# Allegro board A733_PRO2_AXP318_LPDDR4_4X_200BALL_32X1_V1_1.brd (continued)
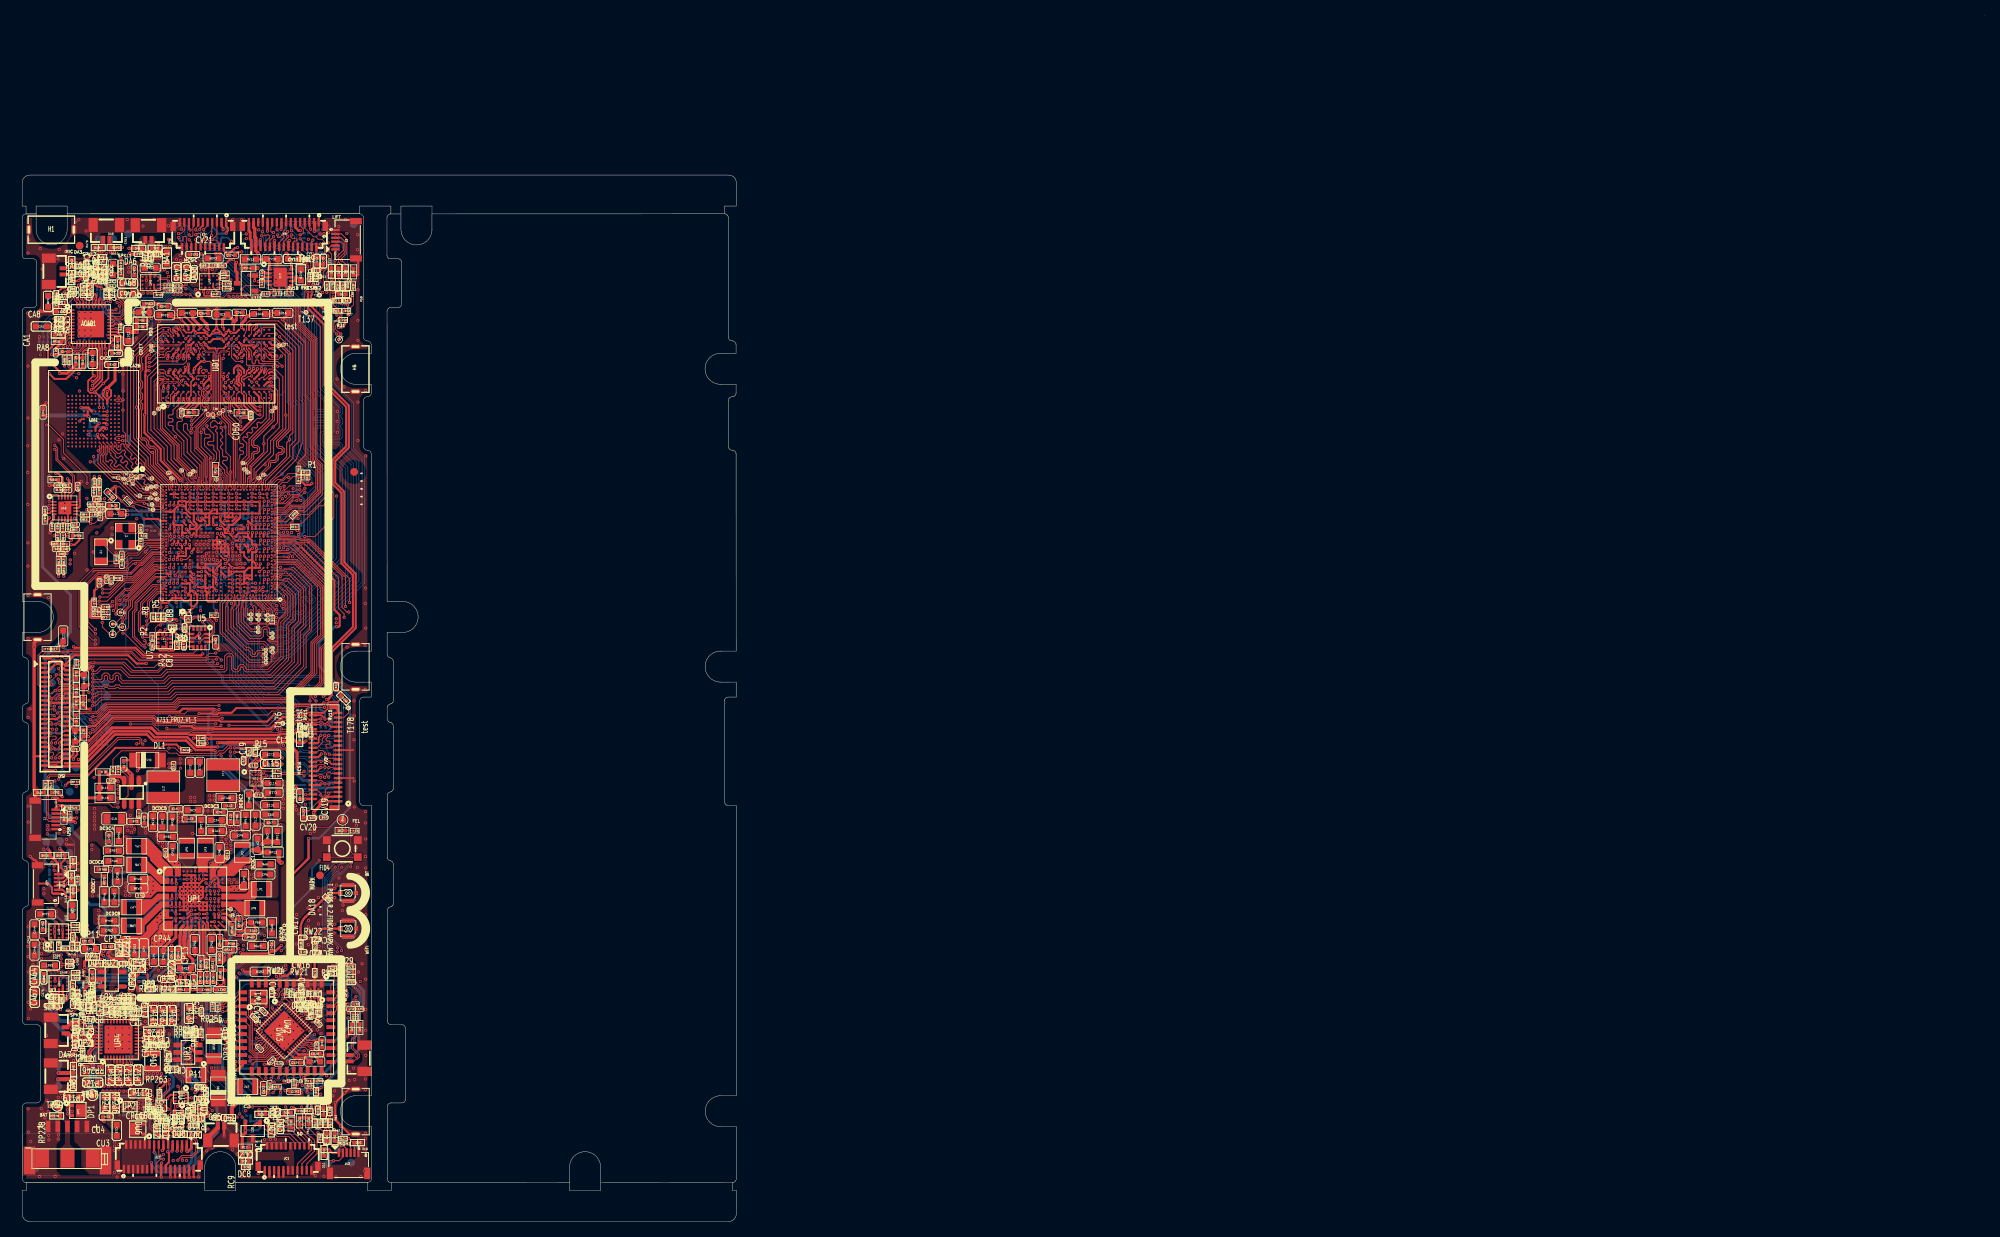
[diagram p0: board, top side]
## Copper pours and planes (outline as drawn; the poured copper is in the pictures) (continued)
BLDO1 on TOP: 38.11,129.49 38.37,129.49 38.4,129.46 38.4,127.86 38.58,127.68 39.07,127.68 39.14,127.62 39.14,127.15 39.09,127.1 38.36,127.1 38.08,127.38 38.08,129.46
BLDO1 on BOTTOM: 38.59,127.68 39.05,127.68 39.11,127.62 39.11,126.82 39.02,126.73 37.78,126.73 37.62,126.88 37.37,126.88 36.77,126.29 36.18,126.29 36.13,126.34 36.13,126.76 36.18,126.81 36.56,126.81 36.66,126.91 36.66,127.63 36.71,127.68 37.15,127.68 37.29,127.55 38.45,127.55
BLDO1 on BOTTOM: 39.89,56.16 40.32,56.16 40.38,56.09 40.38,54.02 39.72,53.37 38.67,53.37 38.52,53.52 38.52,54.17 38.58,54.23 39.01,54.23 39.24,54.46 39.65,54.46 39.86,54.67 39.86,56.13
BLDO1 on L4: 38.96,127.75 39.49,127.21 40.22,127.21 42.51,124.92 42.51,121.14 42.97,120.69 42.97,114.06 40.08,111.16 40.08,100.11 43.67,96.52 43.67,76.43 40.24,73 40.24,70.08 41.8,68.52 41.8,54.99 40.22,53.4 39.19,53.4 38.95,53.64 38.95,54.06 40.9,56.02 40.9,67.96 39.48,69.38 39.48,73.74 42.41,76.67 42.41,96.21 39.17,99.45 39.17,111.43 41.96,114.21 41.96,117.88 42.1,118.02 42.1,118.36 41.61,118.85 41.61,120.3 41.93,120.62 41.93,124.71 39.99,126.66 38.39,126.66 38.18,126.86 38.18,127.58 38.35,127.75
DCDC1 on TOP: 31.38,33.25 34.21,33.25 34.28,33.17 34.28,32.37 34.14,32.23 33.85,32.23 33.52,32.56 32.34,32.56 31.96,32.18 31.96,31.84 31.67,31.55 31.67,30.26 31.62,30.21 31.25,30.21 31.16,30.3 31.16,31.58 30.97,31.77 30.97,32.84
DCDC1 on TOP: 25.68,44.22 25.68,43.62 25.83,43.48 27.83,43.48 27.97,43.62 27.97,44.23 27.85,44.35 25.89,44.35 25.76,44.22
DCDC1 on TOP: 33.83,21.53 33.89,21.53 34.54,20.88 35.19,20.88 35.25,20.82 35.25,20.24 35.19,20.18 33.18,20.18 33.16,20.21 33.16,20.85
DCDC1 on TOP: 29.65,46.27 29.65,46.7 29.72,46.77 30.91,46.77 31.03,46.64 31.03,45.68 30.79,45.44 28.68,45.44 28.61,45.52 28.61,45.74 28.86,46 29.39,46
DCDC1 on BOTTOM: 29.09,46.72 31.68,46.72 33.03,45.38 33.03,36.22 31.9,35.09 31.9,34 32.28,33.62 34.23,33.62 34.96,32.89 42.2,32.89 43.9,31.19 43.9,30.76 43.82,30.68 43.52,30.68 42.77,31.43 34.68,31.43 33.59,32.52 31.41,32.52 30.86,33.07 30.86,35.38 32.01,36.54 32.01,43.32 32.01,43.32 32.01,44.55 32.01,44.58 31.29,45.3 28.61,45.3 28.48,45.43 28.48,46.11
DCDC1 on L4: 26.77,43.45 27.83,43.45 28.01,43.63 28.01,44.28 29.12,45.39 29.93,45.39 30.4,45.86 30.4,46.47 29.98,46.89 29.97,46.89 29.57,47.28 28.19,47.28 26.26,45.35 26.26,43.96
DCDC2 on TOP: 26.85,87.57 26.3,88.12 26.04,88.12 25.97,88.19 25.97,88.47 26.02,88.52 26.46,88.52 26.95,88.03 27.76,88.03 27.94,88.21 27.94,88.43 27.99,88.48 28.25,88.48 28.56,88.16 28.68,88.16 28.77,88.07 28.77,87.72 28.71,87.65 27.51,87.65 27.33,87.47 27.33,86.61 27.46,86.48 27.71,86.48 27.79,86.41 27.79,86.23 27.89,86.13 28.12,86.13 28.37,85.87 28.37,85.24 28.47,85.14 28.83,85.14 28.91,85.06 28.91,84.71 28.83,84.63 27.08,84.63 26.85,84.86
DCDC2 on TOP: 26.73,52.07 26.62,52.18 26.62,53.62 26.63,53.63 26.63,54.11 26.64,54.12 26.64,54.95 26.79,55.1 27.91,55.1 28.75,54.27 31.68,54.27 31.95,54 31.95,51.23 31.9,51.18 31.41,51.18 31.31,51.28 31.31,51.57 30.82,52.07
DCDC2 on BOTTOM: 26.82,86.23 26.82,87.52 27,87.7 27.2,87.7 27.41,87.5 27.66,87.5 27.71,87.45 27.71,86.74 27.84,86.61 29.29,86.61 29.4,86.51 29.4,84.95 29.13,84.68 27.29,84.68 27.08,84.89 27.08,85.61 26.95,85.75 26.95,86.1
DCDC2 on L3: 34.47,84.53 34.47,77.46 34.47,77.46 34.47,76.98 33.62,76.14 33.62,71.67 32.53,70.57 32.53,53.64 31.69,52.81 27.82,52.81 27.32,53.31 27.32,54.63 27.34,54.66 27.34,77.21 27.18,77.38 27.18,80.06 25.92,81.32 25.92,84.26 26.37,84.71 26.37,85.24 26.85,85.72 26.85,85.95 26.64,86.15 26.64,86.16 25.9,86.16 25,87.06 25,88.63 25.37,89 26.07,89 26.4,88.67 26.59,88.67 27.02,89.1 27.26,89.1 27.54,88.82 28.61,88.82 28.81,88.62 28.81,87.7 29.37,87.14 29.37,86.7 29.55,86.52 32.47,86.52
DCDC2 on L4: 21.28,90.98 21.99,90.98 22.5,90.48 25.65,90.48 26.06,90.07 27.62,90.07 28.89,88.8 28.89,85.32 28.98,85.23 28.98,84.77 28.81,84.61 27.12,84.61 26.86,84.87 26.86,87.57 26.26,88.16 24.67,88.16 24.16,88.67 22.83,88.67 22.64,88.48 22.64,88.3 22.65,88.29 22.5,88.14 22.2,88.14 22.03,88.3 22.03,88.93 21.24,89.71 20.85,89.71 20.63,89.93 20.63,90.5 20.9,90.77 21.07,90.77
DCDC3 on TOP: 22.44,53.83 25.26,53.83 25.41,53.68 25.41,52.49 25.36,52.44 24.9,52.44 24.76,52.3 24.76,51.47 24.7,51.41 21.94,51.41 21.7,51.65 21.7,52.22 22.25,52.77 22.25,53.64
DCDC3 on TOP: 23.7,86.56 25.3,86.56 25.4,86.46 25.4,85.26 25.27,85.14 23.55,85.14 23.39,84.98 23.39,84.78 23.29,84.68 23.06,84.68 22.43,85.32 22.43,85.81 22.71,86.09 23.23,86.09
DCDC3 on BOTTOM: 23.65,86.53 24.03,86.53 24.54,87.04 25.25,87.04 25.35,86.94 25.35,86.53 25.63,86.25 25.63,85.89 25.76,85.75 25.76,84.96 25.7,84.9 23.45,84.9 23.31,84.76 23.31,84.76 23.09,84.76 23.04,84.81 23.04,85.92
DCDC3 on L3: 25.23,86.6 25.41,86.42 25.41,85.05 25.58,84.88 25.58,80.55 26.86,79.28 26.86,64.99 26.48,64.62 26.48,53.09 26.47,53.08 26.47,52.89 25.83,52.25 21.9,52.25 20.36,53.79 20.36,56.09 20.92,56.65 20.92,77.34 20.9,77.36 20.9,77.87 20.05,78.71 20.05,79.03 18.49,80.6 18.49,84.65 18.68,84.84 20.48,84.84 21.06,85.41 22.2,85.41 22.86,86.07 23.22,86.07 23.59,86.44 24.75,86.44 24.91,86.6
DCDC4 on TOP: 22.89,88.16 22.71,88.34 22.71,89.15 23.04,89.48 23.22,89.48 23.27,89.43 23.27,89.13 23.39,89 24.71,89 24.79,88.92 24.79,88.29 24.66,88.16
DCDC4 on TOP: 14.69,50.94 14.69,50.18 14.46,49.95 11.98,49.95 11.58,49.54 10.92,49.54 10.62,49.83 10.62,50.37 11.49,51.23 14.4,51.23
DCDC4 on BOTTOM: 23.06,89.47 23.14,89.39 23.14,89.25 23.34,89.05 24.48,89.05 24.58,88.95 24.58,88.2 24.54,88.16 22.89,88.16 22.73,88.31 22.73,88.52 22.12,89.13 22.12,89.43 22.16,89.47
DCDC4 on L3: 19.66,57.22 16.47,54.04 16.47,51.73 15.6,50.86 15.6,50.09 15.49,49.97 13.84,49.97 13.31,50.51 13.31,58.44 13.75,58.89 13.75,63.3 14.32,63.86 14.32,64.78 13.98,65.12 13.98,86.47 15.26,87.76 16.78,87.76 17.22,88.19 22.26,88.19 22.69,88.62 24.37,88.62 24.77,88.21 24.77,86.91 24.54,86.68 22.59,86.68 22.42,86.51 22.42,86.03 22.06,85.66 18.71,85.66 18.05,85 18.05,81.19 17.53,80.67 17.53,79.26 19.66,77.13
DCDC5 on TOP: 24.23,88.01 24.33,87.91 24.33,86.88 24.17,86.71 23.65,86.71 23.14,86.2 22.52,86.2 22.38,86.34 22.38,86.97 22.25,87.09 22.07,87.09 21.92,87.25 21.92,87.88 22.05,88.01
DCDC5 on TOP: 19.4,53.86 19.57,53.69 19.57,52.82 19.77,52.62 19.77,51.86 19.72,51.81 16.67,51.81 16.65,51.79 16.34,51.79 16.2,51.93 15.53,51.93 15.46,51.99 15.46,52.98 16.34,53.86
DCDC5 on BOTTOM: 22.71,88.11 22.78,88.03 24.56,88.03 24.64,87.96 24.64,87.27 24,86.64 23.67,86.64 22.91,85.87 22.91,84.93 22.78,84.81 22.38,84.81 22.25,84.68 18.7,84.68 17.51,83.49 17.51,75.28 18.56,74.24 19.85,74.24 23.55,70.53 23.55,57.06 20.58,54.09 20.58,53.52 19.45,52.39 17.13,52.39 16.45,53.06 16.45,57.21 17.69,58.44 17.69,69.57 13.86,73.39 13.86,73.4 13.56,73.71 13.56,79.01 13.86,79.31 13.86,86.64 15.34,88.11
DCDC6 on TOP: 10.57,46.92 11.43,46.92 11.57,46.78 11.57,45.07 11.44,44.94 10.59,44.94 10.31,45.23 10.31,46.66
DCDC6 on BOTTOM: 24.77,89.71 24.28,89.71 23.88,90.12 23.88,90.85 23.67,91.06 23.67,91.53 23.92,91.78 23.92,94.04 23.83,94.13 23.82,94.13 23.69,94.26 15.33,94.26 12.95,91.88 12.95,81.78 12.43,81.25 12.43,78.95 12.73,78.65 12.73,73.68 17.39,69.02 17.39,59.38 15.48,57.47 15.48,54.37 13.22,52.11 13.22,45.25 12.86,44.89 11.11,44.89 10.9,45.1 10.9,46.56 11.51,47.17 11.51,57.07 16.06,61.62 16.06,68.51 11.28,73.29 11.28,77.12 10.54,77.85 10.54,90.21 10.93,90.6 10.93,93.19 15,97.25 23.08,97.25 24.96,95.37 25.07,95.37 25.32,95.12 25.32,91.18 25.22,91.08 25.22,90.5 25.17,90.45 25.17,90.01 25.15,89.99 24.94,89.99 24.89,89.94 24.89,89.84
DCDC7 on TOP: 8.58,41.88 8.58,42.93 8.58,42.93 8.58,43.67 8.89,43.98 10.87,43.98 11.04,43.8 11.04,42.25 10.98,42.19 10.29,42.19 9.91,41.81 8.66,41.81
DCDC7 on BOTTOM: 25.89,90.23 25.86,90.27 25.86,90.62 25.91,90.67 26.11,90.67 26.12,90.68 26.64,90.68 26.87,90.91 26.87,94.46 26.86,94.46 26.06,95.26 26.06,97.07 25.7,97.43 14.06,97.43 10.21,93.58 10.21,77.89 11.03,77.07 11.03,73.23 15.21,69.05 15.21,60.96 11.32,57.07 11.32,47.29 10.12,46.09 10.12,43.39 10.13,43.39 10.13,41.54 9.96,41.38 8.87,41.38 8.62,41.62 8.62,46.54 9.93,47.84 9.93,57.31 13.22,60.6 13.22,69.31 10.15,72.37 10.13,72.37 7.85,74.66 7.85,94.21 16.97,103.33 19.57,103.33 21.33,105.09 22.17,105.09 22.35,105.27 22.35,106.79 21.76,107.38 21.76,108.75 22.05,109.04 22.05,109.65 21.25,110.45 21.25,111.86 21.39,112 22.42,112 22.65,112.23 22.65,115.77 23.08,116.2 27.27,116.2 27.52,115.96 27.52,115.11 28.58,114.04 28.58,113.6 28.8,113.38 28.8,112.53 28.99,112.34 28.99,93.72 28.79,93.52 28.71,93.52 28.35,93.15 28.35,91.66 28.15,91.47 28.15,90.51 28.09,90.45 27.6,90.45 27.39,90.23
DCDC8 on TOP: 11.59,39.28 13.37,39.28 13.5,39.15 13.5,37.19 13.36,37.05 11.6,37.05 11.48,37.17 11.48,39.17
DCDC9 on TOP: 26.12,37.72 26.58,37.72 26.69,37.6 26.69,37.06 27.09,36.67 28.27,36.67 28.55,36.39 29.96,36.39 30.02,36.45 30.02,36.93 30.96,37.87 32.58,37.87 32.71,37.74 32.71,36.78 32.56,36.63 32.04,36.63 31.51,37.16 31.17,37.16 30.6,36.59 30.6,36.22 30.34,35.95 30.34,35.15 30.17,34.99 29.08,34.99 28.93,35.14 28.93,35.61 28.69,35.85 28.03,35.85 27.72,36.16 26.7,36.16 25.99,36.87 25.99,37.59
DCDC9 on BOTTOM: 24.58,38.9 24.89,38.9 26.08,37.71 26.46,37.71 26.55,37.62 26.55,37.12 26.43,37 25.66,37 24.32,38.34 24.32,38.63
DCDC9 on L3: 25.21,41.91 25.71,41.91 26.3,41.33 26.3,38.87 25.7,38.28 24.56,38.28 24.47,38.37 24.47,38.9 24.58,39.01 25.08,39.01 25.63,39.56 25.63,40.93 25.08,41.48 25.08,41.78
PA-VDD-L on TOP: 18.28,124.03 19.02,124.03 19.08,123.96 19.08,123.18 18.97,123.06 18.88,123.06 18.31,122.49 17.55,122.49 17.29,122.24 17.29,121.86 17.19,121.75 16.92,121.75 16.81,121.87 16.81,123.47 16.91,123.57 17.83,123.57
PA-VDD-L on TOP: 25.74,123.24 24.79,122.29 24.79,121.91 24.73,121.86 24.53,121.86 24.48,121.91 24.48,122.72 24.76,123 24.76,124.99 24.86,125.09 25.64,125.09 25.74,124.99
PA-VDD-L on BOTTOM: 18.46,123.06 18.55,122.97 18.55,122.66 18.22,122.33 16.86,122.33 16.4,122.79 16.4,122.98 16.48,123.06
PA-VDD-L on L4: 20.3,125.37 25.57,125.37 25.85,125.09 25.85,123.93 25.22,123.29 20.98,123.29 20.44,122.76 18.66,122.76 18.44,122.53 17.41,122.53 17.2,122.73 17.2,123.79 17.42,124 17.8,124 18.73,124.93 19.86,124.93
PA-VDD-R on TOP: 3.89,33.48 4.61,33.48 4.66,33.43 4.66,32.74 4.84,32.56 5.33,32.56 5.48,32.41 5.48,31.33 5.43,31.28 5.05,31.28 5.01,31.32 5.01,31.56 4.82,31.75 4.57,31.75 3.84,32.48 3.84,33.43
PA-VDD-R on TOP: 4.73,40.54 5.38,39.89 6.77,39.89 6.92,39.74 6.92,38.98 6.68,38.73 5.71,38.73 5.38,38.4 5.38,38.05 5.32,37.98 5.13,37.98 5.05,38.06 5.05,38.67 4.76,38.96 3.51,38.96 3.33,39.14 3.33,40.36 3.51,40.54
PA-VDD-R on BOTTOM: 3.66,40.63 4.15,40.63 4.6,40.17 4.6,39.28 4.55,39.23 4.19,39.23 4.12,39.29 4.12,39.42 3.92,39.62 3.69,39.62 3.63,39.69 3.63,40.59
PA-VDD-R on BOTTOM: 4.15,33.29 4.54,33.29 4.63,33.2 4.63,32.75 4.89,32.5 5.1,32.5 5.27,32.33 5.27,31.53 5.21,31.47 4.44,31.47 4.07,31.84 4.07,32.1 3.81,32.36 3.81,32.6 3.98,32.76 3.98,32.76 4.07,32.85 4.07,33.21
PA-VDD-R on L4: 3.88,40.3 4.87,40.3 5.01,40.16 5.01,37.06 4.67,36.71 4.67,33.06 4.85,32.88 5.16,32.88 5.27,32.78 5.27,31.89 5.14,31.76 4.09,31.76 3.86,31.99 3.86,32.5 3.53,32.83 3.53,39.94
PS on TOP (solid shape): 18.87,40.27 18.89,40.27 18.91,40.26 18.93,40.24 18.94,40.22 18.94,40.2 18.94,39.43 18.95,39.41 18.96,39.39 19.02,39.33 19.03,39.32 19.05,39.32 19.39,39.32 19.41,39.31 19.43,39.3 19.45,39.28 19.46,39.27 19.46,39.25 19.46,39.1 19.46,39.08 19.45,39.06 19.43,39.04 19.41,39.03 19.39,39.03 18.77,39.03 18.35,39.03 18.33,39.02 18.32,39.01 17.51,38.21 17.5,38.19 17.5,38.17 17.5,37.7 17.49,37.68 17.48,37.67 17.24,37.43 17.24,37.43 17.15,37.36 17.08,37.27 17.08,37.26 16.47,36.66 16.46,36.64 16.45,36.62 16.45,36.29 16.44,36.21 16.45,36.12 16.45,35.52 16.45,35.5 16.44,35.48 16.14,35.18 16.12,35.17 16.1,35.17 12.88,35.17 12.86,35.17 12.83,35.21 12.83,35.46 12.83,35.51 12.83,36.1 12.83,36.12 12.82,36.14 12.74,36.23 12.72,36.24 12.72,36.26 12.72,36.44 12.73,36.44 12.73,36.64 12.73,36.66 12.74,36.67 12.91,36.84 12.93,36.85 12.95,36.86 14.75,36.86 14.78,36.84 15.38,36.84 15.41,36.86 15.61,37.05 16.02,37.46 16.03,37.48 16.03,37.5 16.03,38.05 16.04,38.07 16.05,38.09 18.22,40.26 18.23,40.27 18.25,40.27
PS on TOP (solid shape): 26.54,47.29 26.56,47.29 26.58,47.28 26.64,47.22 26.65,47.2 26.65,47.18 26.65,46.73 26.65,46.71 26.64,46.69 26.16,46.21 26.14,46.2 26.12,46.2 25.98,46.2 25.96,46.19 25.93,46.17 25.91,46.17 25.83,46.17 25.81,46.16 25.8,46.15 24.99,45.34 24.98,45.33 24.97,45.31 24.97,44.69 24.98,44.67 24.99,44.66 25.06,44.59 25.06,44.57 25.13,44.47 25.23,44.41 25.24,44.41 25.43,44.21 25.44,44.2 25.45,44.18 25.45,43.52 25.45,43.5 25.46,43.48 25.63,43.31 25.65,43.3 25.67,43.3 26.78,43.3 26.8,43.3 26.81,43.31 26.86,43.36 26.89,43.37 26.9,43.36 27.04,43.35 27.17,43.39 27.18,43.39 27.55,43.39 27.56,43.39 27.7,43.36 27.84,43.39 27.85,43.39 27.96,43.39 27.98,43.4 28,43.41 28.4,43.81 28.42,43.83 28.44,43.83 28.95,43.83 28.99,43.81 29,43.78 29,42.76 29,42.74 28.99,42.72 28.84,42.57 28.82,42.56 28.8,42.56 25.77,42.56 25.75,42.56 25.74,42.57 25.69,42.62 25.68,42.64 25.67,42.66 25.67,42.79 25.67,42.81 25.66,42.83 25.51,42.98 25.5,42.99 25.48,42.99 25.31,42.99 25.3,42.99 25.28,43.01 25.18,43.1 25.17,43.12 25.17,43.14 25.17,44.11 25.16,44.13 25.15,44.15 25.07,44.23 25.06,44.25 24.88,44.41 24.64,44.35 24.6,44.31 24.35,44.06 24.33,44.04 24.31,44.04 24.26,44.04 24.24,44.04 24.23,44.06 24.19,44.09 24.18,44.11 24.17,44.13 24.17,46.3 24.18,46.32 24.19,46.34 24.27,46.43 24.29,46.44 24.31,46.44 24.53,46.44 24.55,46.44 24.56,46.46 24.86,46.76 24.88,46.77 24.88,46.79 24.88,47.2 24.88,47.22 24.89,47.24 24.94,47.28 24.95,47.29 24.97,47.29
PS on TOP: 18.19,126.05 19.27,126.05 19.35,125.97 19.35,124.79 19.15,124.59 18.21,124.59 18.09,124.7 18.09,125.94
PS on TOP: 14.79,52.7 14.71,52.78 14.71,55.14 14.99,55.42 20.68,55.42 21.04,55.78 21.04,58.24 21.13,58.33 22.89,58.33 22.9,58.34 23,58.34 23.48,58.81 23.48,59.57 23.62,59.71 27.97,59.71 28.33,59.35 28.61,59.35 28.73,59.23 28.73,58.28 29.18,57.83 29.18,57.73 29.52,57.39 29.7,57.39 29.83,57.26 29.83,57.15 29.74,57.06 28.81,57.06 28.1,57.77 28.1,57.77 28.1,58.1 28,58.2 23.81,58.2 23.52,57.91 23.52,54.11 23.35,53.95 22.12,53.95 22.11,53.93 16.15,53.93 15.29,53.07 15.29,52.79 15.2,52.7
PS on TOP: 22.22,38.3 22.55,38.3 22.6,38.25 22.6,37.59 22.59,37.58 22.59,37.22 22.7,37.11 22.7,36.13 22.61,36.04 21.86,36.04 21.8,36.11 21.8,37.36 22.13,37.69 22.13,38.21
PS on TOP: 19.59,22.14 21.44,22.14 21.98,21.6 21.98,20.1 21.8,19.93 21.8,17.89 21.76,17.86 20.52,17.86 19.49,18.88 19.49,20.22 19.71,20.43 20.63,20.43 20.72,20.52 20.72,21.41 20.61,21.53 19.55,21.53 19.5,21.58 19.5,22.05
PS on TOP: 29.24,124.62 29.24,123.79 29.1,123.65 29.1,122.8 28.96,122.66 28.16,122.66 27.93,122.88 27.93,124.67 28.01,124.75 29.12,124.75
PS on TOP: 24.21,38.33 24.34,38.33 24.77,37.9 24.77,37.44 25.01,37.2 25.01,36.28 24.8,36.07 24.04,36.07 23.97,36.13 23.97,37.16 24.29,37.48 24.29,37.9 24.16,38.02 24.16,38.28
PS on TOP: 2.61,43.23 3.22,43.23 3.62,42.84 3.62,42.2 3.88,41.93 5.33,41.93 5.85,41.41 6.85,41.41 6.95,41.31 6.95,40.44 6.88,40.36 5.44,40.36 4.73,41.07 3.54,41.07 2.52,42.09 2.52,43.14
PS on BOTTOM: 26.73,43.38 28.6,43.38 28.65,43.33 28.65,42.71 28.47,42.53 26.68,42.53 26.59,42.62 26.59,43.24
PS on BOTTOM: 13.93,35.57 13.04,34.68 11.72,34.68 11.27,35.13 10.12,35.13 9.96,34.97 4.57,34.97 1.57,37.97 1.57,73.46 4.81,76.69 4.81,79.63 1.15,83.29 1.15,116.01 3.26,118.12 3.26,118.13 3.97,118.85 3.97,121.37 6.52,123.93 7.73,123.93 7.85,123.81 7.85,123.54 5.08,120.78 5.08,118.55 1.99,115.45 1.99,83.78 5.65,80.12 5.65,76.31 2.38,73.05 2.38,47.59 3.2,46.77 3.2,41.46 2.9,41.17 2.9,38.19 4.59,36.5 11.37,36.5 11.72,36.16 12.25,36.16 12.96,36.87 13.78,36.87 13.93,36.72
PS on L3: 22.99,124.48 26.27,124.48 27.24,123.52 27.71,123.52 27.87,123.68 28.19,123.68 28.48,123.39 28.48,122.68 28.3,122.5 26.65,122.5 25.83,123.33 22.33,123.33 20.9,124.76 20.89,124.76 20.59,125.06 17.42,125.06 17.42,125.06 16.58,125.89 9.75,125.89 8.1,124.24 8.1,123.8 7.79,123.49 6.89,123.49 6.74,123.65 6.74,124.61 9.73,127.6 19.1,127.6 20.08,126.63 20.85,126.63
PS on L5GND: 20.72,18.83 20.61,18.95 20.61,23.09 21.51,23.99 23.32,23.99 24.36,25.03 24.36,33.76 20.46,37.66 16,37.66 16,44.97 19.49,48.46 19.49,54.81 19.72,55.04 22.46,55.04 22.74,54.76 22.74,48.41 23.77,47.38 25.95,47.38 28.58,44.75 28.58,44.04 30.06,42.57 30.06,31.51 28.79,30.24 28.79,22.47 25.15,18.83
SBU1 on TOP: 23.39,16.61 23.89,16.61 24.02,16.47 24.02,15.19 24.11,15.1 24.11,14.78 24.04,14.71 23.21,14.71 23.14,14.78 23.14,15.35 23.22,15.44 23.22,16.45
SPKL1+ on TOP: 16.47,127.16 16.9,127.16 17.19,126.87 17.19,125.17 17.34,125.02 17.34,124.64 17.32,124.61 16.44,124.61 16.42,124.64 16.42,127.11
SPKL1- on TOP: 15.45,127.16 16.1,127.16 16.14,127.13 16.14,124.67 16.07,124.61 15.11,124.61 15.07,124.65 15.07,126.78
SPKL2+ on TOP: 11.03,127.18 11.6,127.18 11.7,127.08 11.7,125.4 11.82,125.28 12.01,125.28 12.14,125.16 12.14,124.88 12.01,124.75 11.28,124.75 10.99,125.04 10.99,127.14
SPKL2+ on BOTTOM: 11.34,125.77 12,125.77 12.07,125.69 12.07,124.59 11.82,124.33 11.25,124.33 11.2,124.38 11.2,125.63
SPKL2- on TOP: 10.1,127.19 10.65,127.19 10.71,127.13 10.71,125.07 10.41,124.76 9.6,124.76 9.53,124.83 9.53,125.12 9.94,125.53 9.94,127.02
SPKL2- on BOTTOM: 9.6,125.73 10.45,125.73 10.64,125.54 10.64,124.4 10.61,124.37 9.94,124.37 9.53,124.78 9.53,125.67
SPKR1+ on TOP: 4.48,35.44 5.43,35.44 5.49,35.38 5.49,34.95 5.39,34.85 5.09,34.85 3.82,33.58 2.32,33.58 2.26,33.64 2.26,34.1 2.32,34.16 3.45,34.16 4.43,35.14 4.43,35.39
SPKR1- on TOP: 2.85,35.42 3.89,35.42 3.94,35.37 3.94,34.85 3.35,34.25 2.32,34.25 2.27,34.3 2.27,34.9 2.42,35.05 2.67,35.05 2.8,35.18 2.8,35.37
SWOUT1 on TOP: 32.62,49.97 32.44,50.15 32.44,50.88 32.53,50.96 32.77,50.96 33.24,51.43 33.74,51.43 33.95,51.22 33.95,50.46 33.46,49.97
SWOUT2 on TOP: 18.94,30.75 19.4,30.75 19.83,30.32 20.53,30.32 20.6,30.25 20.6,29.65 20.53,29.59 19.03,29.59 18.98,29.64 18.98,30.23 18.83,30.38 18.83,30.63
SWOUT2 on L4: 22.02,14.74 21.67,14.74 21.19,15.23 18.97,15.23 18.73,14.98 18.73,13.19 19.29,12.64 20.1,12.64 20.44,12.98 21.85,12.98 21.99,12.84 21.99,11.72 22.55,11.16 23.87,11.16 24.33,11.62 27.76,11.62 28.23,12.09 29.03,12.09 29.14,11.98 29.14,10.79 28.49,10.15 19.07,10.15 17.1,12.11 17.1,14.73 17.31,14.94 17.31,15.17 17.14,15.34 17.14,15.96 17.99,16.82 19.85,16.82 20.35,17.32 20.8,17.32 21.26,16.87 22.49,16.87 22.56,16.79 22.56,16.51 22.31,16.26 22.31,15.04
TS on TOP: 4.63,13.93 5.34,13.93 6.17,13.11 6.17,9.97 6.79,9.35 6.79,7 6.64,6.85 4.97,6.85 4.86,6.96 4.86,9.37 5.51,10.02 5.51,12.79 4.94,13.36 4.63,13.36 4.58,13.41 4.58,13.88
VLED+ on TOP: 14.42,54.37 14.42,51.51 14.24,51.33 12.34,51.33 12.31,51.36 12.31,52.73 12.55,52.97 13.53,52.97 13.72,53.16 13.72,54.39 13.84,54.51 14.28,54.51
N18662691 on TOP: 30.6,41.43 32.82,41.43 33.08,41.17 33.08,38.49 32.72,38.14 30.6,38.14 30.54,38.2 30.54,41.36
N18662765 on TOP: 22.95,50.89 24.72,50.89 24.8,50.81 24.8,50.1 25.04,49.86 25.04,49.06 24.77,48.79 22.68,48.79 22.63,48.84 22.63,50.57
N18662772 on TOP (solid shape): 16.18,49.47 16.2,49.46 16.21,49.45 18.02,47.65 18.03,47.63 18.03,47.61 18.03,46.94 18.04,46.92 18.05,46.91 19.36,45.6 19.37,45.58 19.37,45.55 19.41,45.52 19.42,45.5 19.43,45.48 19.43,44.63 19.42,44.61 19.41,44.59 19.37,44.56 19.36,44.54 19.34,44.54 18.58,44.54 18.56,44.54 18.55,44.56 16.51,46.59 16.5,46.61 16.5,46.63 16.5,46.85 16.49,46.87 16.48,46.89 16.07,47.3 16.05,47.31 16.03,47.32 15.53,47.32 15.51,47.32 15.49,47.33 15.38,47.45 15.37,47.46 15.36,47.48 15.36,49.37 15.37,49.39 15.38,49.4 15.42,49.45 15.44,49.46 15.46,49.47
N18662778 on TOP: 14.14,47.43 14.09,47.38 11.96,47.38 11.77,47.57 11.77,49.41 11.87,49.52 12.76,49.52 13.09,49.85 13.88,49.85 14.14,49.58
N18662797 on TOP: 12.05,41.59 13.49,41.59 13.55,41.54 13.55,39.61 13.48,39.55 11.21,39.55 10.19,40.56 10.19,41.53 10.27,41.6 12.03,41.6
N18662807 on TOP: 20.22,47.57 22.21,47.57 22.25,47.53 22.25,46.2 22,45.95 22,45.09 21.92,45.02 20.71,45.02 20.61,45.12 20.61,46.25 20.18,46.68 20.18,47.53
N18662816 on TOP: 19.01,51.2 22.07,51.2 22.2,51.08 22.2,48.89 22.05,48.74 20.41,48.74 19.94,49.21 19.1,49.21 18.89,49.42 18.89,51.08
N18662827 on TOP: 31.69,46.52 32.44,46.52 33.04,45.92 33.04,42.01 32.72,41.69 31.58,41.69 31.47,41.81 31.47,44.06 31.6,44.19 31.6,46.43
N18662831 on TOP: 11.96,47.19 14,47.19 14.16,47.02 14.16,45.04 14.07,44.95 13.12,44.95 13.01,44.84 11.93,44.84 11.84,44.93 11.84,47.06
N18662918 on TOP: 28.43,51.48 29.31,51.48 29.51,51.28 29.51,48.28 29.41,48.18 27.39,48.18 27.34,48.23 27.34,49.01 27.46,49.14 28.13,49.14 28.32,49.33 28.32,51.37
N20896354 on TOP: 14.71,57.52 14.71,56.84 14.72,56.84 14.72,56.37 14.82,56.27 15.53,56.27 15.54,56.28 15.72,56.28 16.09,56.65 20.24,56.65 20.44,56.85 20.44,58.05 20.33,58.16 18.88,58.16 18.57,58.46 18.57,60.45 18.5,60.53 17.18,60.53 17.13,60.48 17.13,58.56 16.92,58.36 16.28,58.36 16.01,58.09 16.01,57.94 15.68,57.61 14.8,57.61
N20897399 on TOP: 29.74,56.92 28.53,56.92 28.45,57 23.91,57 23.81,56.89 23.81,55.41 23.86,55.36 28.52,55.36 28.99,55.83 28.99,56.11 29.54,56.66 29.72,56.66 29.82,56.76 29.82,56.84
N20960276 on TOP: 24.36,16.28 26.22,16.28 26.46,16.04 26.46,13.16 26.39,13.08 25.71,13.08 25.51,12.88 25.51,11.49 24.48,10.47 24.48,9.68 24.39,9.59 23.4,9.59 23.34,9.65 23.34,11.3 23.47,11.43 23.96,11.43 24.99,12.46 24.99,14.19 24.28,14.9 24.28,16.21
N20973990 on BOTTOM: 11.21,124.15 11.74,124.15 14.26,121.64 15.32,121.64 17.03,119.94 17.03,119.58 16.94,119.49 16,119.49 15.95,119.54 15.95,120 15.29,120.66 14.21,120.66 11.16,123.71 11.16,124.1
N20973992 on BOTTOM: 10.24,124.18 10.7,124.18 10.78,124.1 10.78,123.85 14.17,120.46 15.27,120.46 15.77,119.96 15.77,119.49 15.7,119.43 14.08,119.43 10.17,123.34 10.17,124.1
N21860248 on TOP: 16.62,23.98 14.52,23.98 14.5,24 14.5,24.15 14.54,24.19 15.16,24.19 15.17,24.21 15.17,24.37 15.15,24.4 14.51,24.4 14.5,24.41 14.5,24.56 14.52,24.59 15.57,24.59 15.87,24.89 16.63,24.89 16.68,24.84 16.68,24.04
N21860562 on TOP: 9.66,22.2 10.35,22.2 10.36,22.19 10.36,22 9.74,22 9.72,21.98 9.72,21.82 9.74,21.8 10.35,21.8 10.36,21.79 10.36,21.6 9.75,21.6 9.72,21.58 9.72,21.39 10.31,20.8 10.51,20.8 10.52,20.81 10.52,21.41 10.54,21.42 10.73,21.42 10.73,20.81 10.75,20.79 10.92,20.79 10.93,20.8 10.93,21.42 11.13,21.42 11.13,20.78 11.15,20.76 11.3,20.76 11.32,20.79 11.32,21.41 11.34,21.42 11.5,21.42 11.54,21.39 11.54,20.24 11.76,20.03 11.76,19.02 11.6,18.87 9.69,18.87 9.64,18.92 9.64,19.28 9.65,19.29 10.57,19.29 10.68,19.39 10.68,19.85 10.63,19.9 9.66,19.9 9.62,19.94 9.62,20.57 9.34,20.85 9.34,20.85 9.14,21.06 9.14,21.68
N21860731 on TOP: 14.54,23 15.27,23 15.41,22.86 16.77,22.86 16.81,22.82 16.81,22.47 16.96,22.31 17.8,22.31 17.86,22.25 17.86,21.39 17.79,21.32 15.74,21.32 15.15,20.73 14.21,20.73 14.13,20.8 14.13,21.41 14.17,21.45 14.43,21.45 14.49,21.5 14.49,21.74 14.55,21.8 15.16,21.8 15.18,21.83 15.18,21.96 15.15,22 14.54,22 14.51,22.02 14.51,22.16 14.55,22.2 15.18,22.2 15.21,22.22 15.21,22.36 15.18,22.39 14.54,22.39 14.51,22.41 14.51,22.58 14.54,22.6 15.17,22.6 15.18,22.62 15.18,22.76 15.15,22.8 14.54,22.8 14.51,22.82 14.51,22.97
N21864664 on TOP: 23.68,21.76 25.69,21.76 25.78,21.67 25.78,20.38 25.61,20.22 24.3,20.22 24.11,20.03 24.11,18.06 23.87,17.82 23.09,17.82 23.02,17.88 23.02,19.96 22.92,20.07 22.28,20.07 22.2,20.16 22.2,21.15 22.27,21.22 23.39,21.22 23.53,21.36 23.53,21.6
N21939300 on TOP: 21.94,123.11 22.41,123.11 23.27,122.25 23.27,121.92 23.24,121.88 23.07,121.88 22.38,122.57 21.93,122.57 21.89,122.6 21.89,123.06
N21939303 on TOP: 21.97,122.29 22.4,122.29 22.98,121.7 23.25,121.7 23.3,121.65 23.3,121.42 23.25,121.37 22.31,121.37 21.93,121.75 21.93,122.25
N21946591 on TOP: 19.48,122.16 21.39,122.16 22.38,121.17 23.22,121.17 23.3,121.09 23.3,120.86 23.21,120.78 22.94,120.78 22.75,120.59 21.93,120.59 21.28,121.23 19.5,121.23 19.4,121.33 19.4,122.08
N21949056 on TOP: 16.36,124.5 17.77,124.5 17.94,124.33 17.94,123.95 17.75,123.76 16.36,123.76 16.29,123.84 16.29,124.42
N21949056 on BOTTOM: 18.83,124.81 20.3,123.34 21.8,123.34 24.62,120.52 24.62,119.79 24.51,119.67 23.76,119.67 23.67,119.76 23.67,120.45 21.62,122.49 20.16,122.49 18.57,124.08 16.8,124.08 16.71,124.17 16.71,124.59 16.94,124.81
N21949059 on TOP: 23.25,120.62 23.27,120.6 23.27,120.38 23.17,120.27 23.17,119.79 22.92,119.54 22.23,119.54 22.09,119.68 22.09,120.31 22.23,120.45 22.83,120.45 22.97,120.59 22.97,120.61 22.98,120.62
N21949059 on BOTTOM: 15.46,124.31 15.81,123.96 18.51,123.96 20.29,122.19 21.58,122.19 23.11,120.66 23.11,119.72 23.03,119.65 22.65,119.65 21.63,120.67 21.63,121.14 21.27,121.5 20.09,121.5 18.44,123.15 15.62,123.15 14.92,123.85 14.92,123.99 15.23,124.31
N21951788 on TOP: 13.95,121.42 14.87,121.42 15.23,121.06 15.6,121.06 15.65,121 15.65,120.71 15.6,120.66 14.89,120.66 14.75,120.52 14.75,119.44 14.66,119.35 13.94,119.35 13.91,119.38 13.91,121.39
N21952061 on TOP: 14.19,122.38 14.73,122.38 14.98,122.12 14.98,121.88 15.31,121.55 15.62,121.55 15.68,121.49 15.68,121.3 15.6,121.22 15.22,121.22 14.83,121.61 14.18,121.61 14.12,121.68 14.12,122.3
N21952064 on TOP: 14.19,123.25 14.59,123.25 15.69,122.15 15.69,121.78 15.64,121.73 15.37,121.73 15.3,121.8 15.3,122.03 14.65,122.68 14.21,122.68 14.16,122.73 14.16,123.21
N21962031 on TOP: 2.41,38.76 3.37,38.76 3.88,38.25 3.88,38.05 3.82,37.98 3.65,37.98 3.42,38.21 2.41,38.21 2.37,38.25 2.37,38.72
N21966863 on TOP: 1.21,37.5 1.99,37.5 2.27,37.22 3.79,37.22 3.84,37.17 3.84,37.02 3.78,36.96 3.64,36.96 3.39,36.7 2.38,36.7 2.14,36.46 2.14,35.51 2,35.37 1.23,35.37 1.19,35.41 1.19,37.48
N21972441 on TOP: 1.21,31.36 1.99,31.36 2.2,31.14 2.2,30.65 2.29,30.56 3.84,30.56 3.88,30.52 3.88,30.33 2.79,29.23 1.21,29.23 1.16,29.29 1.16,31.3
N21972752 on TOP: 2.55,32.22 3.12,32.22 3.26,32.08 3.31,32.08 3.87,31.52 3.87,31.34 3.82,31.29 3.36,31.29 2.96,31.7 2.55,31.7 2.52,31.72 2.52,32.19
N22225433 on TOP: 26.93,21.73 28.95,21.73 28.99,21.69 28.99,21.27 28.95,21.23 27.5,21.23 27.21,20.94 27.23,20.92 27.23,18.95 27.68,18.49 28.3,18.49 28.37,18.43 28.37,16.45 28.3,16.38 27.25,16.38 26.42,17.21 26.42,21.22
N22225437 on TOP: 29.36,19.98 29.83,19.98 29.89,19.91 29.89,18.88 30.35,18.43 30.56,18.43 31.12,17.87 31.27,17.87 31.31,17.83 31.31,17.36 31.26,17.31 30.68,17.31 30.56,17.19 30.56,16.39 30.51,16.34 29.73,16.34 29.69,16.38 29.69,18.4 29.31,18.78 29.31,19.93
N22408870 on TOP: 37.36,26.48 37.36,26.34 37.34,26.26 37.29,26.2 36.23,25.13 36.22,25.13 36.1,25.25 36.1,25.27 36.98,26.15 37.03,26.24 37.05,26.34 37.05,26.36 37.05,27.15 37.07,27.16 37.35,27.16 37.36,27.15 37.36,26.49
N22409347 on TOP: 35.57,27.66 35.51,27.45 35.39,27.27 34.74,26.62 34.73,26.62 34.61,26.73 34.61,26.75 35.19,27.32 35.24,27.42 35.26,27.53 35.26,28.12 35.28,28.13 35.57,28.13
PS on TOP (solid shape): 16.56,44.61 16.57,44.61 16.59,44.6 17.89,43.3 17.9,43.29 17.92,43.29 19.86,43.29 19.88,43.28 19.9,43.27 19.94,43.23 19.96,43.21 19.96,43.19 19.96,42.63 19.96,42.61 19.94,42.59 19.92,42.57 19.91,42.56 19.89,42.56 17.42,42.56 17.4,42.56 17.38,42.54 16.62,41.78 16.6,41.77 16.58,41.77 15.4,41.77 15.38,41.77 15.36,41.78 15.26,41.88 15.25,41.9 15.25,41.92 15.25,44.52 15.25,44.54 15.26,44.55 15.31,44.6 15.33,44.61 15.34,44.61
PS on TOP (solid shape): 19.87,47.47 19.89,47.46 19.91,47.45 20.06,47.29 20.08,47.28 20.08,47.26 20.08,46.6 20.08,46.58 20.09,46.56 20.45,46.2 20.46,46.18 20.47,46.17 20.47,44.65 20.46,44.63 20.45,44.61 20.36,44.52 20.35,44.51 20.33,44.51 19.8,44.51 19.78,44.51 19.76,44.52 19.7,44.59 19.69,44.61 19.68,44.63 19.68,45.41 19.68,45.43 19.67,45.44 19.52,45.59 19.51,45.61 19.5,45.63 19.5,45.71 19.5,45.73 19.49,45.75 18.26,46.97 18.25,46.99 18.24,47.01 18.24,47.45 18.25,47.47
N18662749 on TOP (solid shape): 29.39,47.01 29.42,46.99 29.44,46.96 29.44,46.28 29.43,46.26 29.42,46.25 29.33,46.15 29.31,46.14 29.29,46.14 28.91,46.14 28.89,46.13 28.88,46.12 28.71,45.95 28.7,45.95 28.61,45.88 28.54,45.79 28.54,45.78 27.33,44.57 27.31,44.56 27.29,44.56 25.32,44.56 25.3,44.56 25.29,44.57 25.23,44.62 25.22,44.64 25.22,44.66 25.22,45.26 25.22,45.28 25.23,45.29 26,46.06 26.01,46.07 26.03,46.07 26.62,46.07 26.64,46.07 26.66,46.09 27.3,46.73 27.31,46.75 27.32,46.77 27.32,46.91 27.32,46.93 27.33,46.95 27.38,46.99 27.39,47 27.41,47.01
N18662758 on TOP (solid shape): 24.62,47.53 24.64,47.53 24.67,47.49 24.68,47.47 24.68,46.86 24.67,46.84 24.66,46.82 24.55,46.71 24.53,46.7 24.51,46.69 24.27,46.69 24.25,46.69 24.23,46.68 23.94,46.38 23.93,46.37 23.92,46.35 23.92,45.16 23.92,45.14 23.91,45.12 23.87,45.08 23.85,45.07 23.83,45.06 22.8,45.06 22.78,45.07 22.77,45.08 22.71,45.13 22.7,45.15 22.7,45.17 22.7,45.77 22.69,45.79 22.68,45.81 22.51,45.97 22.5,45.99 22.5,46.01 22.5,47.48 22.51,47.52 22.55,47.53
N18662823 on TOP (solid shape): 30.15,43.88 30.17,43.88 30.18,43.86 30.22,43.83 30.23,43.81 30.23,43.8 30.23,41.83 30.23,41.81 30.22,41.79 29.98,41.56 29.97,41.55 29.95,41.54 25.77,41.54 25.75,41.55 25.74,41.56 25.68,41.61 25.68,41.69 25.67,41.74 25.67,42.2 25.67,42.22 25.68,42.24 25.74,42.29 25.75,42.3 25.77,42.3 28.8,42.3 28.82,42.31 28.84,42.32 29.13,42.61 29.14,42.62 29.14,42.64 29.14,43.68 29.15,43.7 29.16,43.71 29.31,43.86 29.32,43.88 29.34,43.88
N18662834 on TOP (solid shape): 15.68,47.02 15.7,47.02 15.71,47.01 18.42,44.3 18.44,44.29 18.46,44.29 18.85,44.29 18.87,44.28 18.88,44.27 18.93,44.22 18.94,44.21 18.94,44.19 18.94,43.62 18.94,43.6 18.93,43.59 18.91,43.56 18.89,43.55 18.87,43.55 17.87,43.55 17.85,43.55 17.84,43.56 16.41,44.99 16.39,45 16.37,45.01 15.43,45.01 15.41,45.01 15.36,45.06 15.36,45.08 15.36,46.92 15.36,46.94 15.37,46.95 15.43,47.01 15.45,47.02 15.46,47.02
N18662843 on TOP (solid shape): 18.85,42.3 18.87,42.3 18.88,42.29 18.94,42.23 18.95,42.21 18.96,42.19 18.96,41.64 18.95,41.62 18.94,41.6 18.9,41.56 18.88,41.55 18.86,41.54 17.72,41.54 17.7,41.54 17.68,41.53 16.1,39.94 15.73,39.58 15.71,39.56 15.69,39.56 14.76,39.56 14.73,39.59 14.73,39.61 14.73,39.94 14.73,41.51 14.73,41.53 14.77,41.56 14.79,41.57 16.69,41.57 16.7,41.57 16.72,41.58 17.43,42.29 17.45,42.3 17.47,42.3
N18662859 on TOP (solid shape): 29.33,41.29 29.36,41.27 29.38,41.24 29.38,39.55 29.38,39.53 29.36,39.52 29.19,39.35 29.18,39.33 29.16,39.33 28.86,39.33 28.83,39.34 28.69,39.38 28.54,39.35 28.52,39.34 28.49,39.35 27.68,40.16 27.63,40.22 27.58,40.26 27.3,40.54 27.29,40.55 27.27,40.55 25.8,40.55 25.78,40.56 25.76,40.57 25.66,40.66 25.65,40.68 25.65,40.7 25.65,41.19 25.65,41.21 25.66,41.23 25.71,41.27 25.73,41.29 25.75,41.29
N18662877 on TOP (solid shape): 18.87,41.29 18.89,41.29 18.91,41.27 18.95,41.23 18.96,41.22 18.97,41.2 18.97,40.62 18.96,40.6 18.95,40.58 18.91,40.54 18.89,40.53 18.87,40.53 18.15,40.53 18.13,40.52 18.12,40.51 15.78,38.18 15.77,38.16 15.77,38.14 15.77,37.42 15.76,37.4 15.75,37.39 15.35,36.99 15.34,36.97 15.32,36.97 14.85,36.97 14.83,36.97 14.81,36.99 14.73,37.07 14.72,37.09 14.71,37.11 14.71,39.02 14.72,39.04 14.73,39.05 14.79,39.12 14.81,39.13 14.83,39.13 15.63,39.13 15.65,39.14 15.66,39.15 17.79,41.27 17.8,41.29 17.82,41.29

Small or netless copper shapes (teardrops, artwork), in the pictures only: 10 on TOP

## Text on the board
Ref Des/Silkscreen Bottom: MISO-1 | CSO-1 | HPOUTL-1 | TWI2-SDA | DN2 | DP2 | DP3 | TWI2-SCK | HPOUTFB-1 | DN3 | CLK-1 | INT-TP | RST-TP | HP-MIC-1 | HPOUTR-1 | DP0 | HP-DET-1 | MOSI-1 | CPUS-TX | CPUS-RX | DN1 | DN0 | DP1 | CKP | CKN | CPUX-TX | CPUX-RX | GND | POWKEY | VOL+1 | VOL-1 | VOL+ | VOL- | RESET-KEY | RESET-1
User.Comments: CR_YSQ_4 | CR_YSQ_3 | CR_M_1
Ref Des/Silkscreen Top: BAT | DSI | SPKR1 | MIC | SPKR2 | SPKL2 | DCDC6 | DCDC4 | DCDC8 | SPKL1 | DCDC5 | MCSIC | DCDC3 | VCC-5V | SD | MCSIB | LIFT | RIGHT | FEL | HP | USB | DCDC7 | DCDC2 | DCDC1 | DCDC9 | MCSIA | BT | WIFI | A733_PRO2_V1_1
User.24: FIGURE | SIZE | 7.87 | 8.0 | 39.37x11.81 | DRILL CHART: TOP to BOTTOM | ALL UNITS ARE IN MILS | PLATED | QTY | 1 | 1945 | 117 | 2 | 8
